# Altium PCB OSA_V100.PcbDoc (part 1 of 5) (continued)
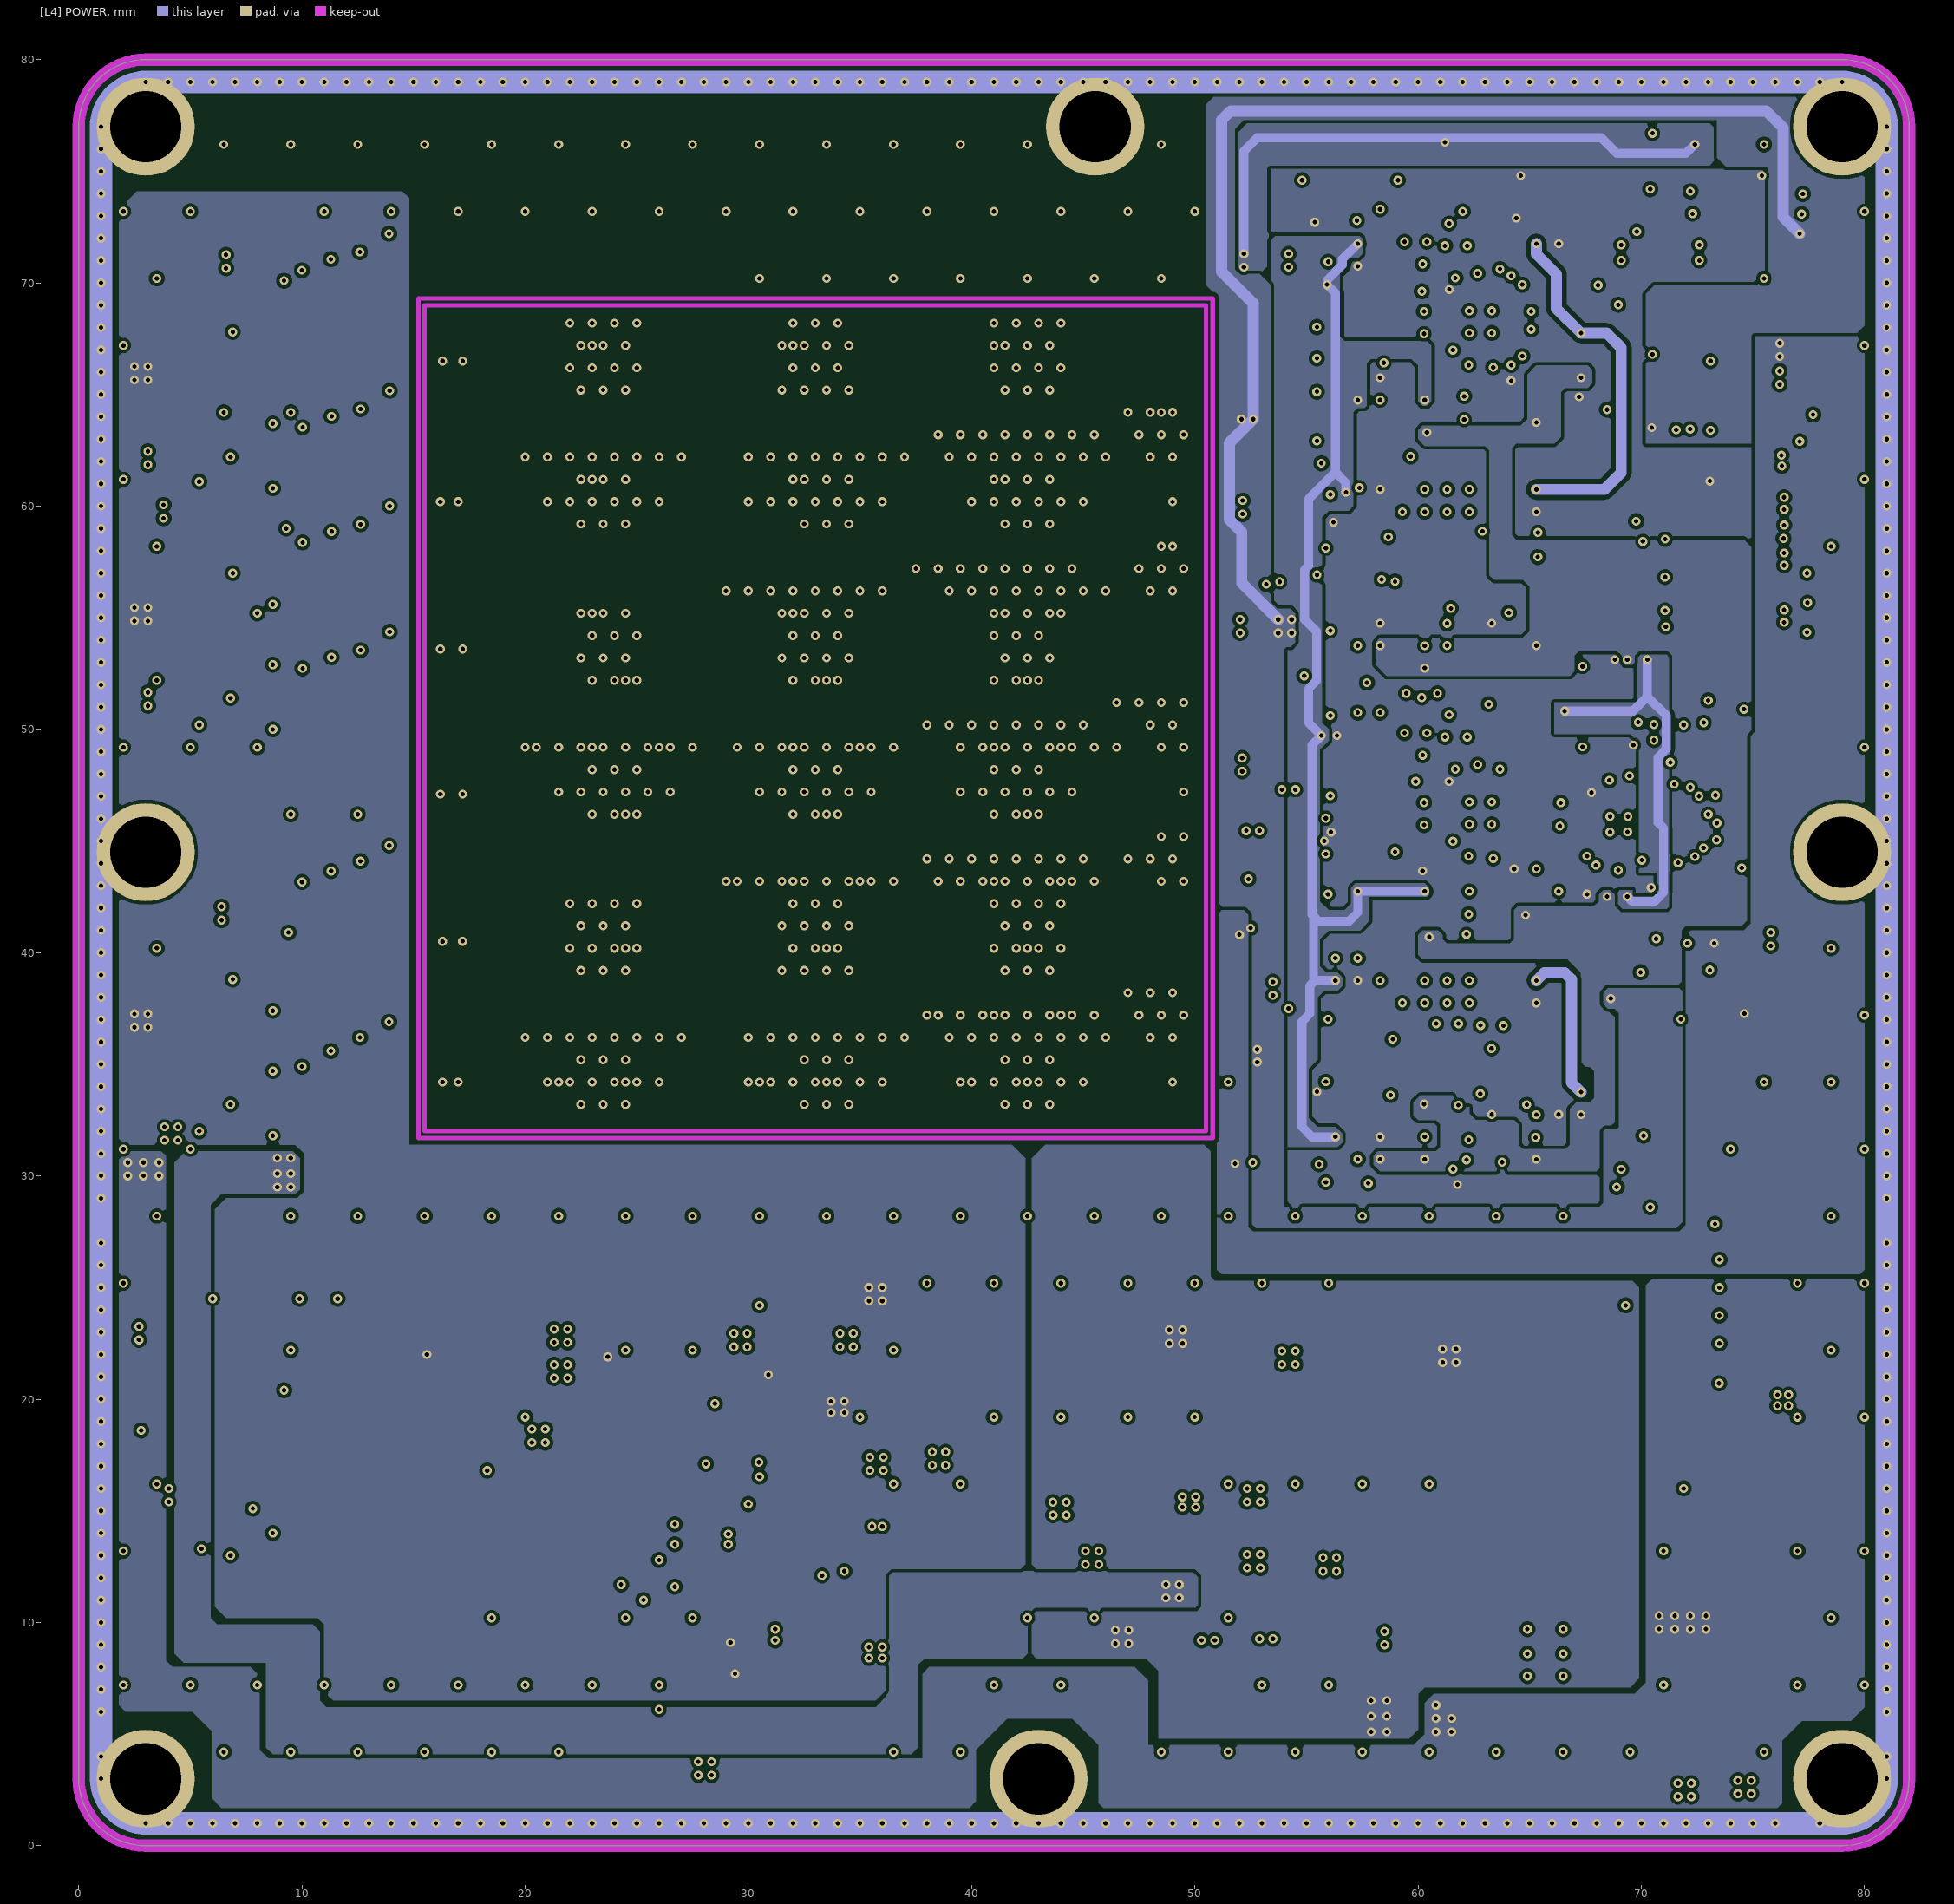
[diagram p4: [L4] POWER]
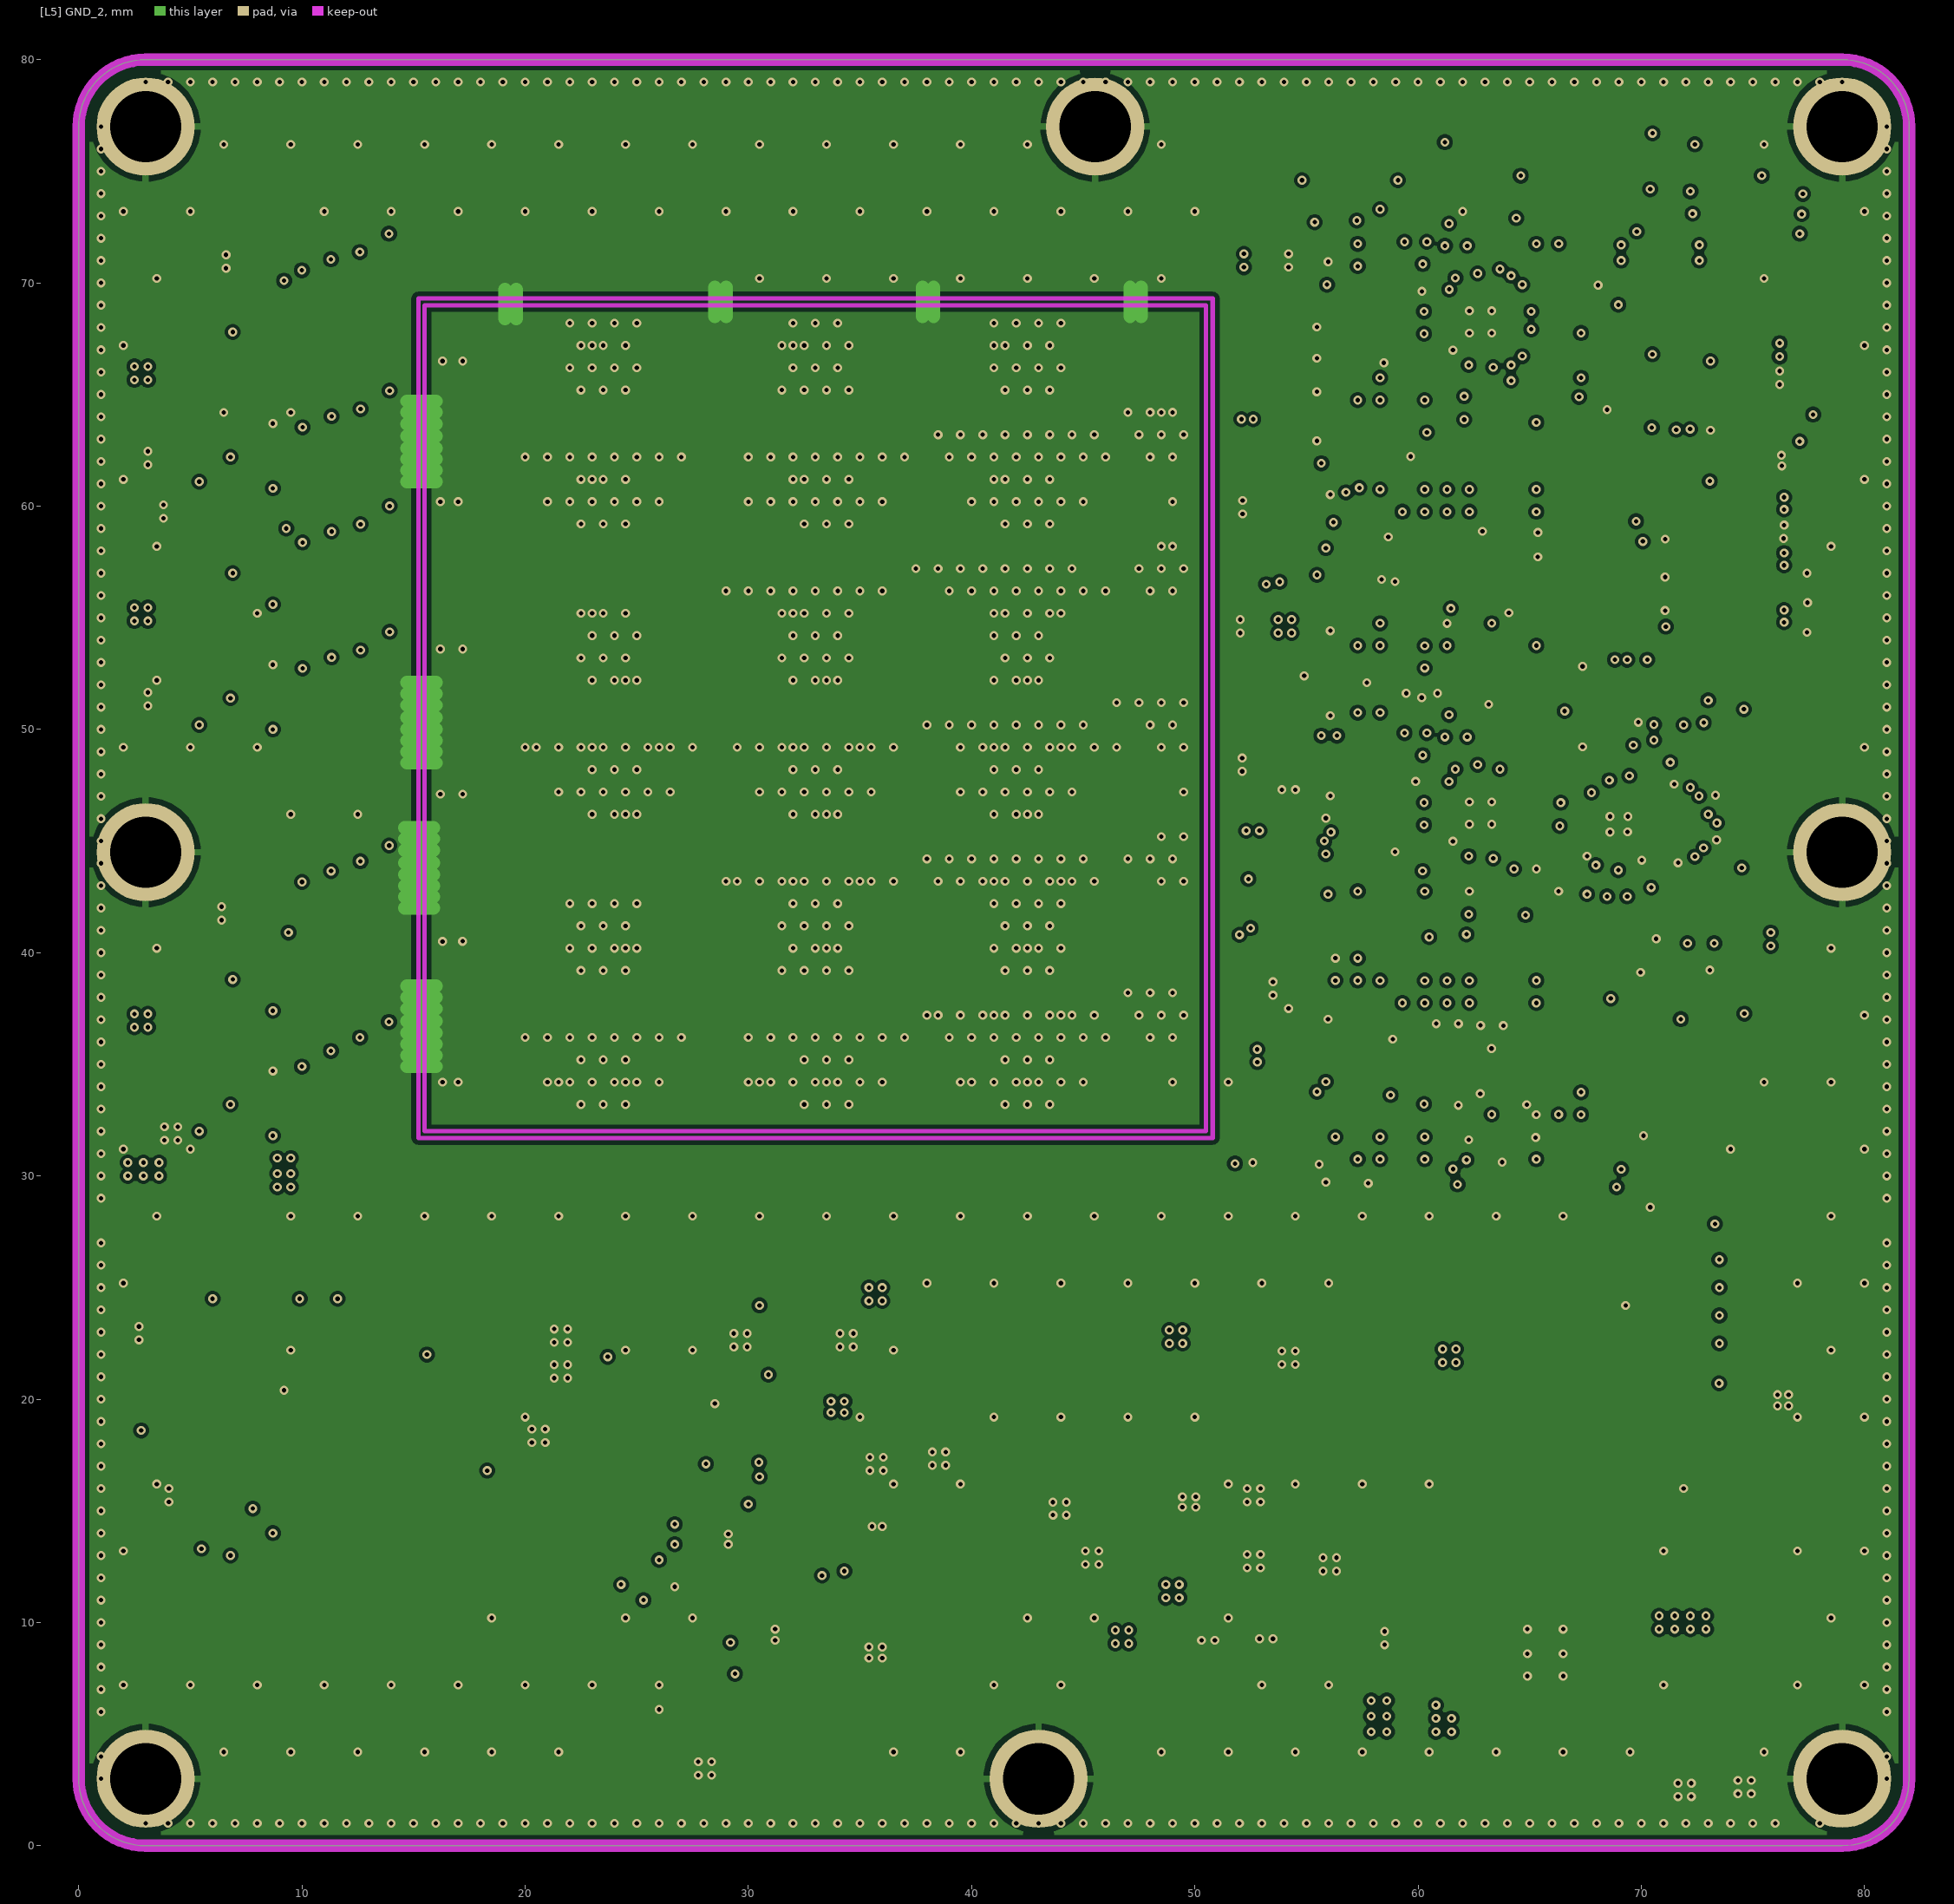
[diagram p5: [L5] GND_2]
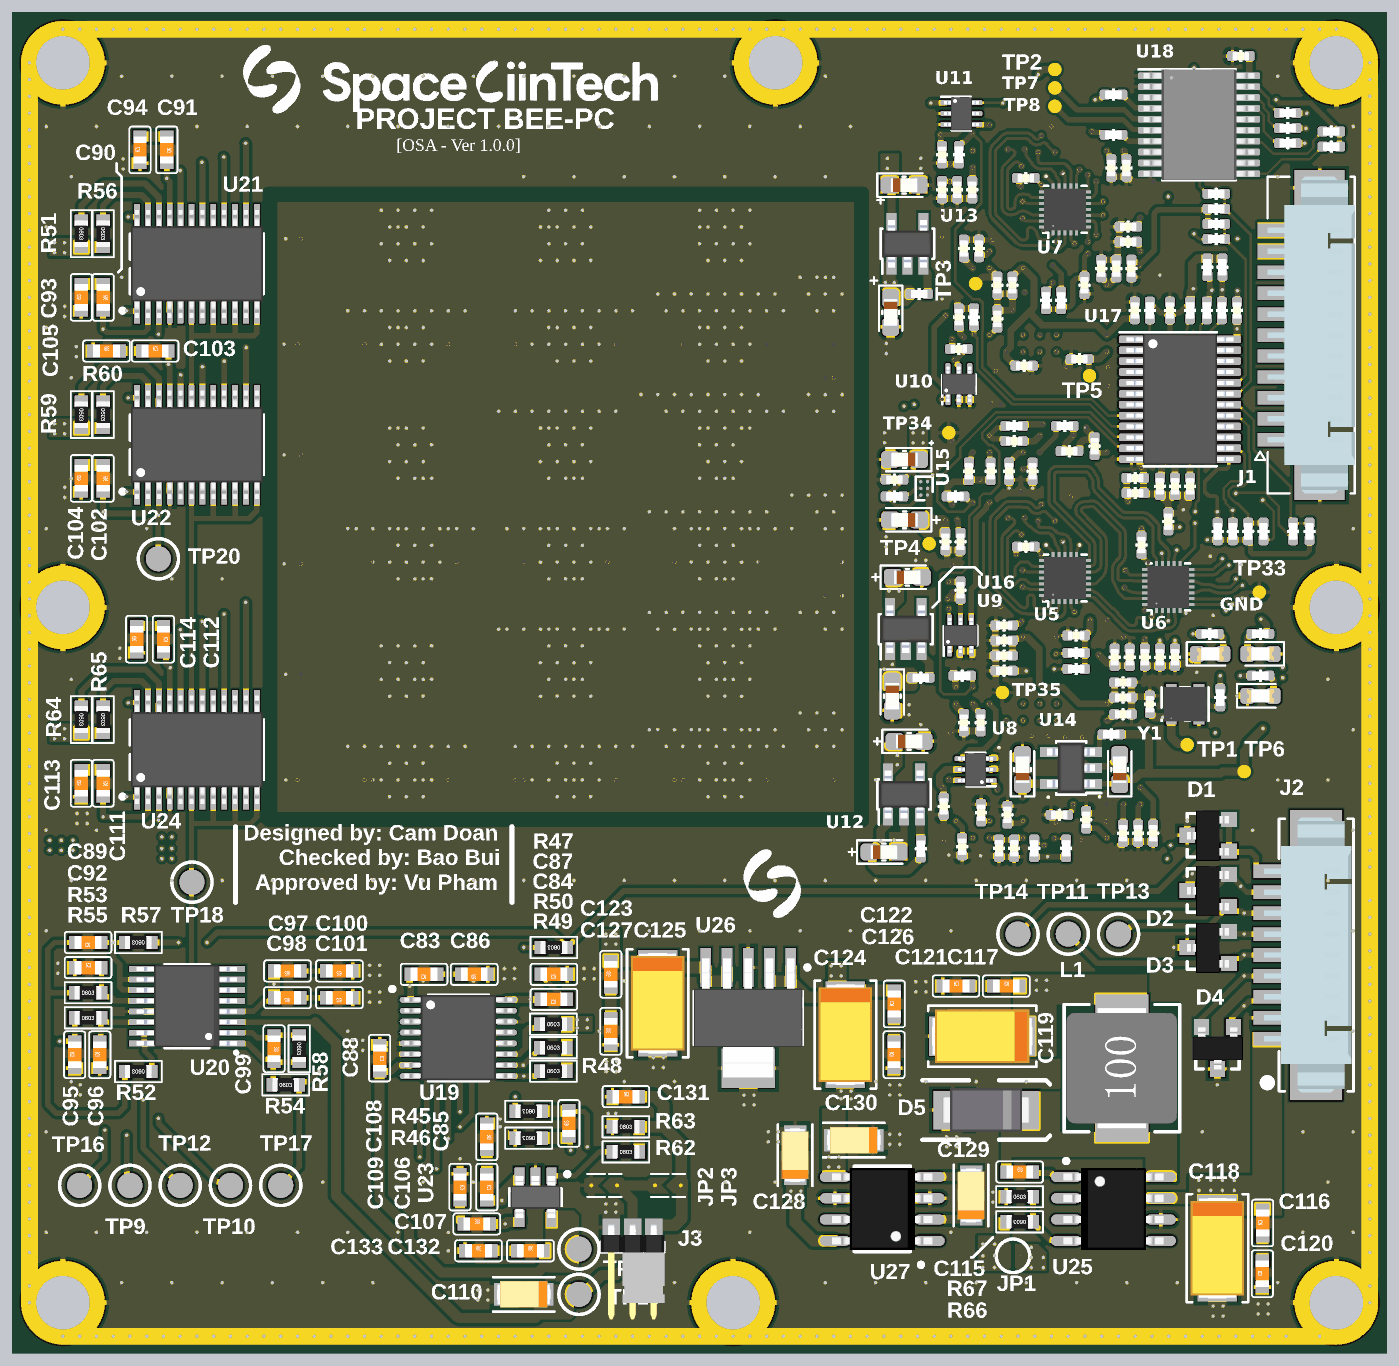
[diagram p10: 3D render of the assembled board from above, using the file's embedded part models]
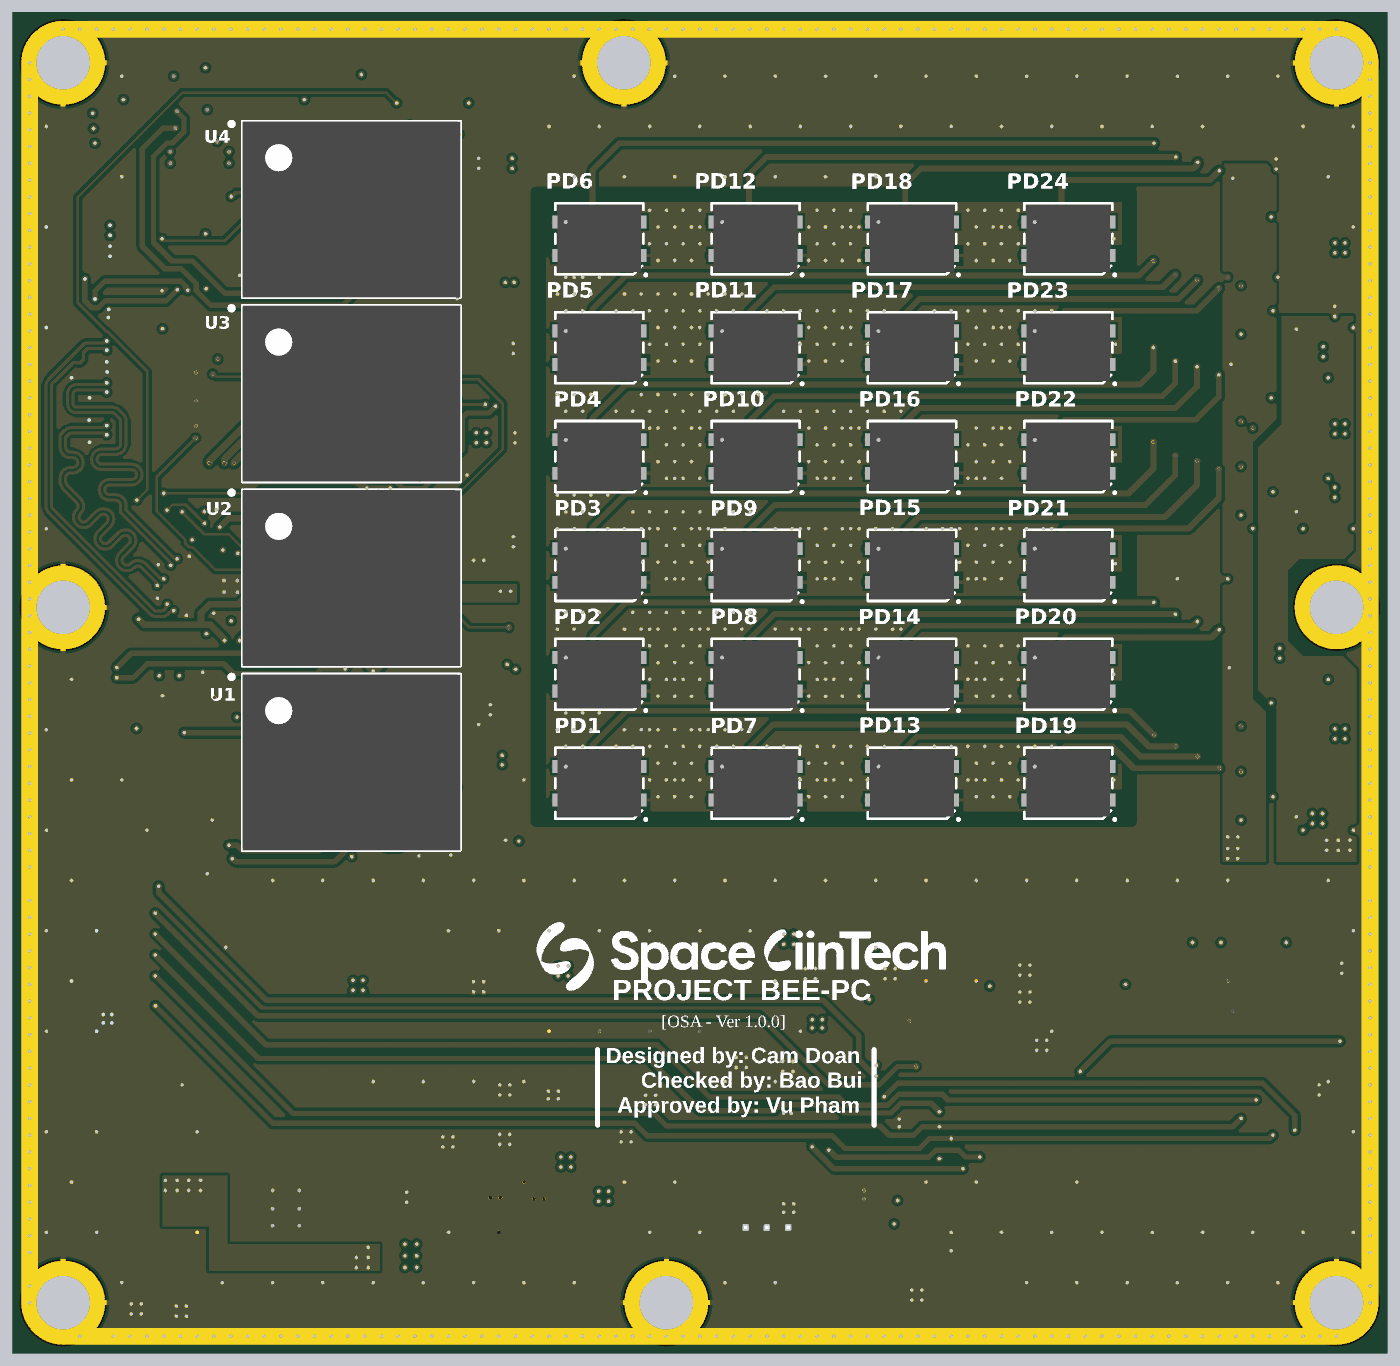
[diagram p11: 3D render of the assembled board from below, using the file's embedded part models]

## Layer stack, top to bottom
Top Solder: solder mask 0.012, Solder Resist, Dk 3.5
[L1] TOP: signal copper 0.04
Dielectric 2: prepreg 0.2, PP-006, Dk 4.1
[L2] GND_1: signal copper 0.032
Dielectric 4: prepreg 0.4, PP-006, Dk 4.1
[L3] SIGNAL: signal copper 0.032
Dielectric 1: dielectric 0.2, FR-4, Dk 4.8
[L4] POWER: signal copper 0.032
Dielectric 5: prepreg 0.4, PP-006, Dk 4.1
[L5] GND_2: signal copper 0.032
Dielectric 3: prepreg 0.2, PP-006, Dk 4.1
[L6] BOTTOM: signal copper 0.04
Bottom Solder: solder mask 0.012, Solder Resist, Dk 3.5

## Board outline
0,3 0,77 cw(c3,77) 3,80 79,80 cw(c79,77) 82,77 82,3 cw(c79,3) 79,0 3,0 cw(c3,3)

## Design rules (kind name [scope] priority, off if disabled: settings)
Clearance Clearance_H4 [InComponent('H4') vs IsKeepOut] p1: gap=0 ignorepadtopadclearanceinfootprint=FALSE
Clearance [All] p2: gap=0.15 ignorepadtopadclearanceinfootprint=FALSE except(0.2: Track-Poly)
ComponentClearance ComponentClearance_1 [All] p1: gap=-999 collisioncheckmode=3 verticalgap=2540 showdistances=FALSE
ComponentClearance [All] p2: gap=0.254 collisioncheckmode=3 verticalgap=0.254 showdistances=FALSE
DiffPairsRouting [InDifferentialPairClass('All Differential Pairs')] p1: maxlimit=0.2 minlimit=0.15 mostfreqgap=0.2 toplayer_maxgap=0.15 toplayer_prefgap=0.15 toplayer_minwidth=0.18 toplayer_maxwidth=0.18 toplayer_prefwidth=0.18 midlayer3_mingap=0.2 midlayer3_minwidth=0.16 midlayer3_maxwidth=0.16 midlayer3_prefwidth=0.16 midlayer4_mingap=0.2 midlayer4_minwidth=0.16 midlayer4_maxwidth=0.16 midlayer4_prefwidth=0.16 bottomlayer_maxgap=0.15 bottomlayer_prefgap=0.15 bottomlayer_minwidth=0.18 bottomlayer_maxwidth=0.18 bottomlayer_prefwidth=0.18 impedanceprofiledriven=TRUE impedanceprofileid={53780D6D-F0E6-46E1-BC01-15374C299E4B} impedanceprofilevalue=100.000000 maxuncoupledlength=20
HoleSize [All] p1: absolutevalues=TRUE maxlimit=4 minlimit=0.025 maxpercent=80.000 minpercent=20.000
HoleToHoleClearance [All] p1: gap=0.2 allowstackedmicrovias=TRUE
MatchedLengths MatchedLengths_U6_J1 [InxSignalClass('xSignals_U6_J1')] p1: tolerance=25.4 checknetsindiffpair=FALSE checkdiffpairvsdiffpair=TRUE checkxsignals=TRUE checkothers=TRUE usedelayunits=TRUE delaytolerance=5.000000 targetsourcename=CAM_CK_P_PP10
MatchedLengths MatchLengths_U1_U6 [InxSignalClass('xSignals_U1_U6')] p2: tolerance=2.54 checknetsindiffpair=FALSE checkdiffpairvsdiffpair=TRUE checkxsignals=TRUE checkothers=TRUE usedelayunits=TRUE delaytolerance=10.000000
MatchedLengths MatchLengths_U2_U6 [InxSignalClass('xSignals_U2_U6')] p3: tolerance=2.54 checknetsindiffpair=FALSE checkdiffpairvsdiffpair=TRUE checkxsignals=TRUE checkothers=TRUE usedelayunits=TRUE delaytolerance=10.000000
MatchedLengths MatchLengths_U3_U6 [InxSignalClass('xSignals_U3_U6')] p4: tolerance=2.54 checknetsindiffpair=FALSE checkdiffpairvsdiffpair=TRUE checkxsignals=TRUE checkothers=TRUE usedelayunits=TRUE delaytolerance=10.000000
MatchedLengths MatchLengths_U4_U6 [InxSignalClass('xSignals_U4_U6')] p5: tolerance=2.54 checknetsindiffpair=FALSE checkdiffpairvsdiffpair=TRUE checkxsignals=TRUE checkothers=TRUE usedelayunits=TRUE delaytolerance=10.000000
MatchedLengths MatchingLengths_DIFF100 [InDifferentialPairClass('DIFF100')] p6: tolerance=0.15 checknetsindiffpair=TRUE checkdiffpairvsdiffpair=FALSE checkxsignals=FALSE checkothers=FALSE usedelayunits=TRUE delaytolerance=10.000000
MinimumSolderMaskSliver [All] p1: minsoldermaskwidth=0.12
PolygonConnect PolygonConnect_2 [InNet('GND')] p1: thpad.connectstyle=Relief thpad.reliefconductorwidth=0.3 thpad.reliefentries=4 thpad.polygonreliefangle="90 Angle" thpad.airgapwidth=0.254 smdpad.connectstyle=Relief smdpad.reliefconductorwidth=0.2 smdpad.reliefentries=4 smdpad.polygonreliefangle="90 Angle" smdpad.airgapwidth=0.254 via.connectstyle=Direct via.reliefconductorwidth=0.254 via.reliefentries=4 via.polygonreliefangle="90 Angle" via.airgapwidth=0.254
PolygonConnect PolygonConnect_1 [(InNet('+1.05V') OR InNet('+1.8V') OR InNet('+2.8V') OR InNet('+5V_CAM') OR InNet('+3.3V')OR InNet('+3.3')OR InNet('+2.4V')OR InNet('+5')OR InNet('-5')OR InNet('12V_EXP'))] p2: connectstyle=Direct reliefconductorwidth=0.254 reliefentries=4 polygonreliefangle="90 Angle" airgapwidth=0.254
PolygonConnect [All] p3: connectstyle=Relief reliefconductorwidth=0.254 reliefentries=4 polygonreliefangle="90 Angle" airgapwidth=0.254
RoutingVias [All] p1: holewidth=0.2 width=0.4 viastyle="Through Hole" minholewidth=0.2 minwidth=0.4 maxholewidth=0.2 maxwidth=0.4
SilkToSilkClearance [All] p1: silktosilkclearance=0.12
SilkToSolderMaskClearance [IsPad] p1: minsilkscreentomaskgap=0.1 clearancetoexposedcopper=TRUE
SolderMaskExpansion [All] p1: expansion=0.102 istentingtop=FALSE
SupplyNets "Schematic Supply Nets_12" [InNet('-5')] p1: voltage=0.000
SupplyNets "Schematic Supply Nets_11" [InNet('+5')] p2: voltage=0.000
SupplyNets "Schematic Supply Nets_10" [InNet('VREF_PD')] p3: voltage=0.000
SupplyNets "Schematic Supply Nets_9" [InNet('12V_EXP')] p4: voltage=0.000
SupplyNets "Schematic Supply Nets_8" [InNet('VREF_ADC')] p5: voltage=0.000
SupplyNets "Schematic Supply Nets_7" [InNet('+3.3')] p6: voltage=0.000
SupplyNets "Schematic Supply Nets_4" [InNet('+2.4V')] p7: voltage=0.000
SupplyNets "Schematic Supply Nets_2" [InNet('+3.3V')] p8: voltage=0.000
SupplyNets "Schematic Supply Nets" [InNet('+5V_CAM')] p9: voltage=0.000
SupplyNets "Schematic Supply Nets_6" [InNet('GND')] p10: voltage=0.000
SupplyNets "Schematic Supply Nets_5" [InNet('+1.05V')] p11: voltage=0.000
SupplyNets "Schematic Supply Nets_3" [InNet('+1.8V')] p12: voltage=0.000
SupplyNets "Schematic Supply Nets_1" [InNet('+2.8V')] p13: voltage=0.000
UnRoutedNet [All] p1: checkbadconnections=TRUE
Width [All] p1: maxlimit=1 minlimit=0.15 preferedwidth=0.32
22 further rules are at their usual default settings.

## Classes and differential pairs
component class PHOTODIODE: C89 C90 C91 C92 C93 C94 C95 C96 C97 C98 C99 C100 C101 C102 C103 C104 C105 C106 C107 C108 C109 C110 C111 C112 C113 C114 C131 C132 C133 J3 JP2 JP3 PD1 PD4 PD6 PD7 PD9 PD10 PD12 PD14 PD15 PD17 PD18 PD19 PD20 PD22 PD24 R51 R52 R53 R54 R55 R56 R57 R58 R59 R60 R62 R63 R64 R65 TP16 TP17 TP18 TP19 TP20 U20 U21 U22 U23 U24
component class PHOTO_POWER: C115 C116 C117 C118 C119 C120 C121 C122 C123 C124 C125 C126 C127 C128 C129 C130 D5 JP1 L1 R66 R67 U25 U26 U27
component class PHOTO_COMMUNICATION: C83 C84 C85 C86 C87 C88 D1 D2 D3 D4 H5 H6 H7 H8 H9 H10 H11 H12 J2 R45 R46 R47 R48 R49 R50 TP9 TP10 TP11 TP12 TP13 TP14 TP15 U19
differential pair class DIFF100: CAM_CK CAM_D0 CAM_D1 SEN0_1_CK SEN0_1_D0 SEN0_1_D1 SEN0_CK SEN0_D0 SEN0_D1 SEN1_CK SEN1_D0 SEN1_D1 SEN2_3_CK SEN2_3_D0 SEN2_3_D1 SEN2_CK SEN2_D0 SEN2_D1 SEN3_CK SEN3_D0 SEN3_D1
component class CAM_SENSOR: C69 C70 C71 C72 C73 C74 C75 C76 C77 C78 C79 C80 C81 C82 DO1 DO2 DO3 R3 R4 R5 R6 R7 R13 R14 R15 R16 R17 R18 R19 R20 R21 R22 R23 R24 R25 R26 R27 R28 R29 R30 R31 R32 R33 R34 R35 R36 R37 R38 R39 R40 R41 R42 R43 R44 TP1 TP2 TP3 TP4 TP5 TP6 TP7 TP8 TP33 TP34 TP35 U12 U13 U14 U15 U16 U17 U18
component class CAM_CONNECTOR: C61 C62 C63 C64 C65 C66 C67 C68 J1 R2 R9 R11 U5 U6 U7 U8 U9 U10 U11 Y1
net class DIFF100: CAM_CK_N CAM_CK_P CAM_D0_N CAM_D0_P CAM_D1_N CAM_D1_P SEN0_1_CK_N SEN0_1_CK_P SEN0_1_D0_N SEN0_1_D0_P SEN0_1_D1_N SEN0_1_D1_P SEN0_CK_N SEN0_CK_P SEN0_D0_N SEN0_D0_P SEN0_D1_N SEN0_D1_P SEN1_CK_N SEN1_CK_P SEN1_D0_N SEN1_D0_P SEN1_D1_N SEN1_D1_P SEN2_3_CK_N SEN2_3_CK_P SEN2_3_D0_N SEN2_3_D0_P SEN2_3_D1_N SEN2_3_D1_P SEN2_CK_N SEN2_CK_P SEN2_D0_N SEN2_D0_P SEN2_D1_N SEN2_D1_P SEN3_CK_N SEN3_CK_P SEN3_D0_N SEN3_D0_P SEN3_D1_N SEN3_D1_P
component class CAM_POWER: C1 C2 C3 C4 C5 C6 C7 C8 C9 C10 C11 C12 C13 C14 C15 C16 C17 C18 C19 C20 C21 C22 C23 C24 C25 C26 C27 C28 C29 C30 C31 C32 C33 C34 C35 C36 C37 C38 C39 C40 C41 C42 C43 C44 C45 C46 C47 C48 C49 C50 C51 C52 C53 C54 C55 C56 C57 C58 C59 C60 R1 R8 R10 R12 U1 U2 U3 U4
differential pair SEN3_D1: +SEN3_D1_P -SEN3_D1_N
differential pair SEN3_D0: +SEN3_D0_P -SEN3_D0_N
differential pair SEN3_CK: +SEN3_CK_P -SEN3_CK_N
differential pair SEN2_D1: +SEN2_D1_P -SEN2_D1_N
differential pair SEN2_D0: +SEN2_D0_P -SEN2_D0_N
differential pair SEN2_CK: +SEN2_CK_P -SEN2_CK_N
differential pair SEN2_3_D1: +SEN2_3_D1_P -SEN2_3_D1_N
differential pair SEN2_3_D0: +SEN2_3_D0_P -SEN2_3_D0_N
differential pair SEN2_3_CK: +SEN2_3_CK_P -SEN2_3_CK_N
differential pair SEN1_D1: +SEN1_D1_P -SEN1_D1_N
differential pair SEN1_D0: +SEN1_D0_P -SEN1_D0_N
differential pair SEN1_CK: +SEN1_CK_P -SEN1_CK_N
differential pair SEN0_1_D1: +SEN0_1_D1_P -SEN0_1_D1_N
differential pair SEN0_1_D0: +SEN0_1_D0_P -SEN0_1_D0_N
differential pair SEN0_1_CK: +SEN0_1_CK_P -SEN0_1_CK_N
differential pair CAM_D1: +CAM_D1_P -CAM_D1_N
differential pair CAM_D0: +CAM_D0_P -CAM_D0_N
differential pair CAM_CK: +CAM_CK_P -CAM_CK_N
differential pair SEN0_D1: +SEN0_D1_P -SEN0_D1_N
differential pair SEN0_D0: +SEN0_D0_P -SEN0_D0_N
differential pair SEN0_CK: +SEN0_CK_P -SEN0_CK_N
